# Altium PCB 191015 PCB (REV0-1).PcbDoc (part 1 of 2) (continued)
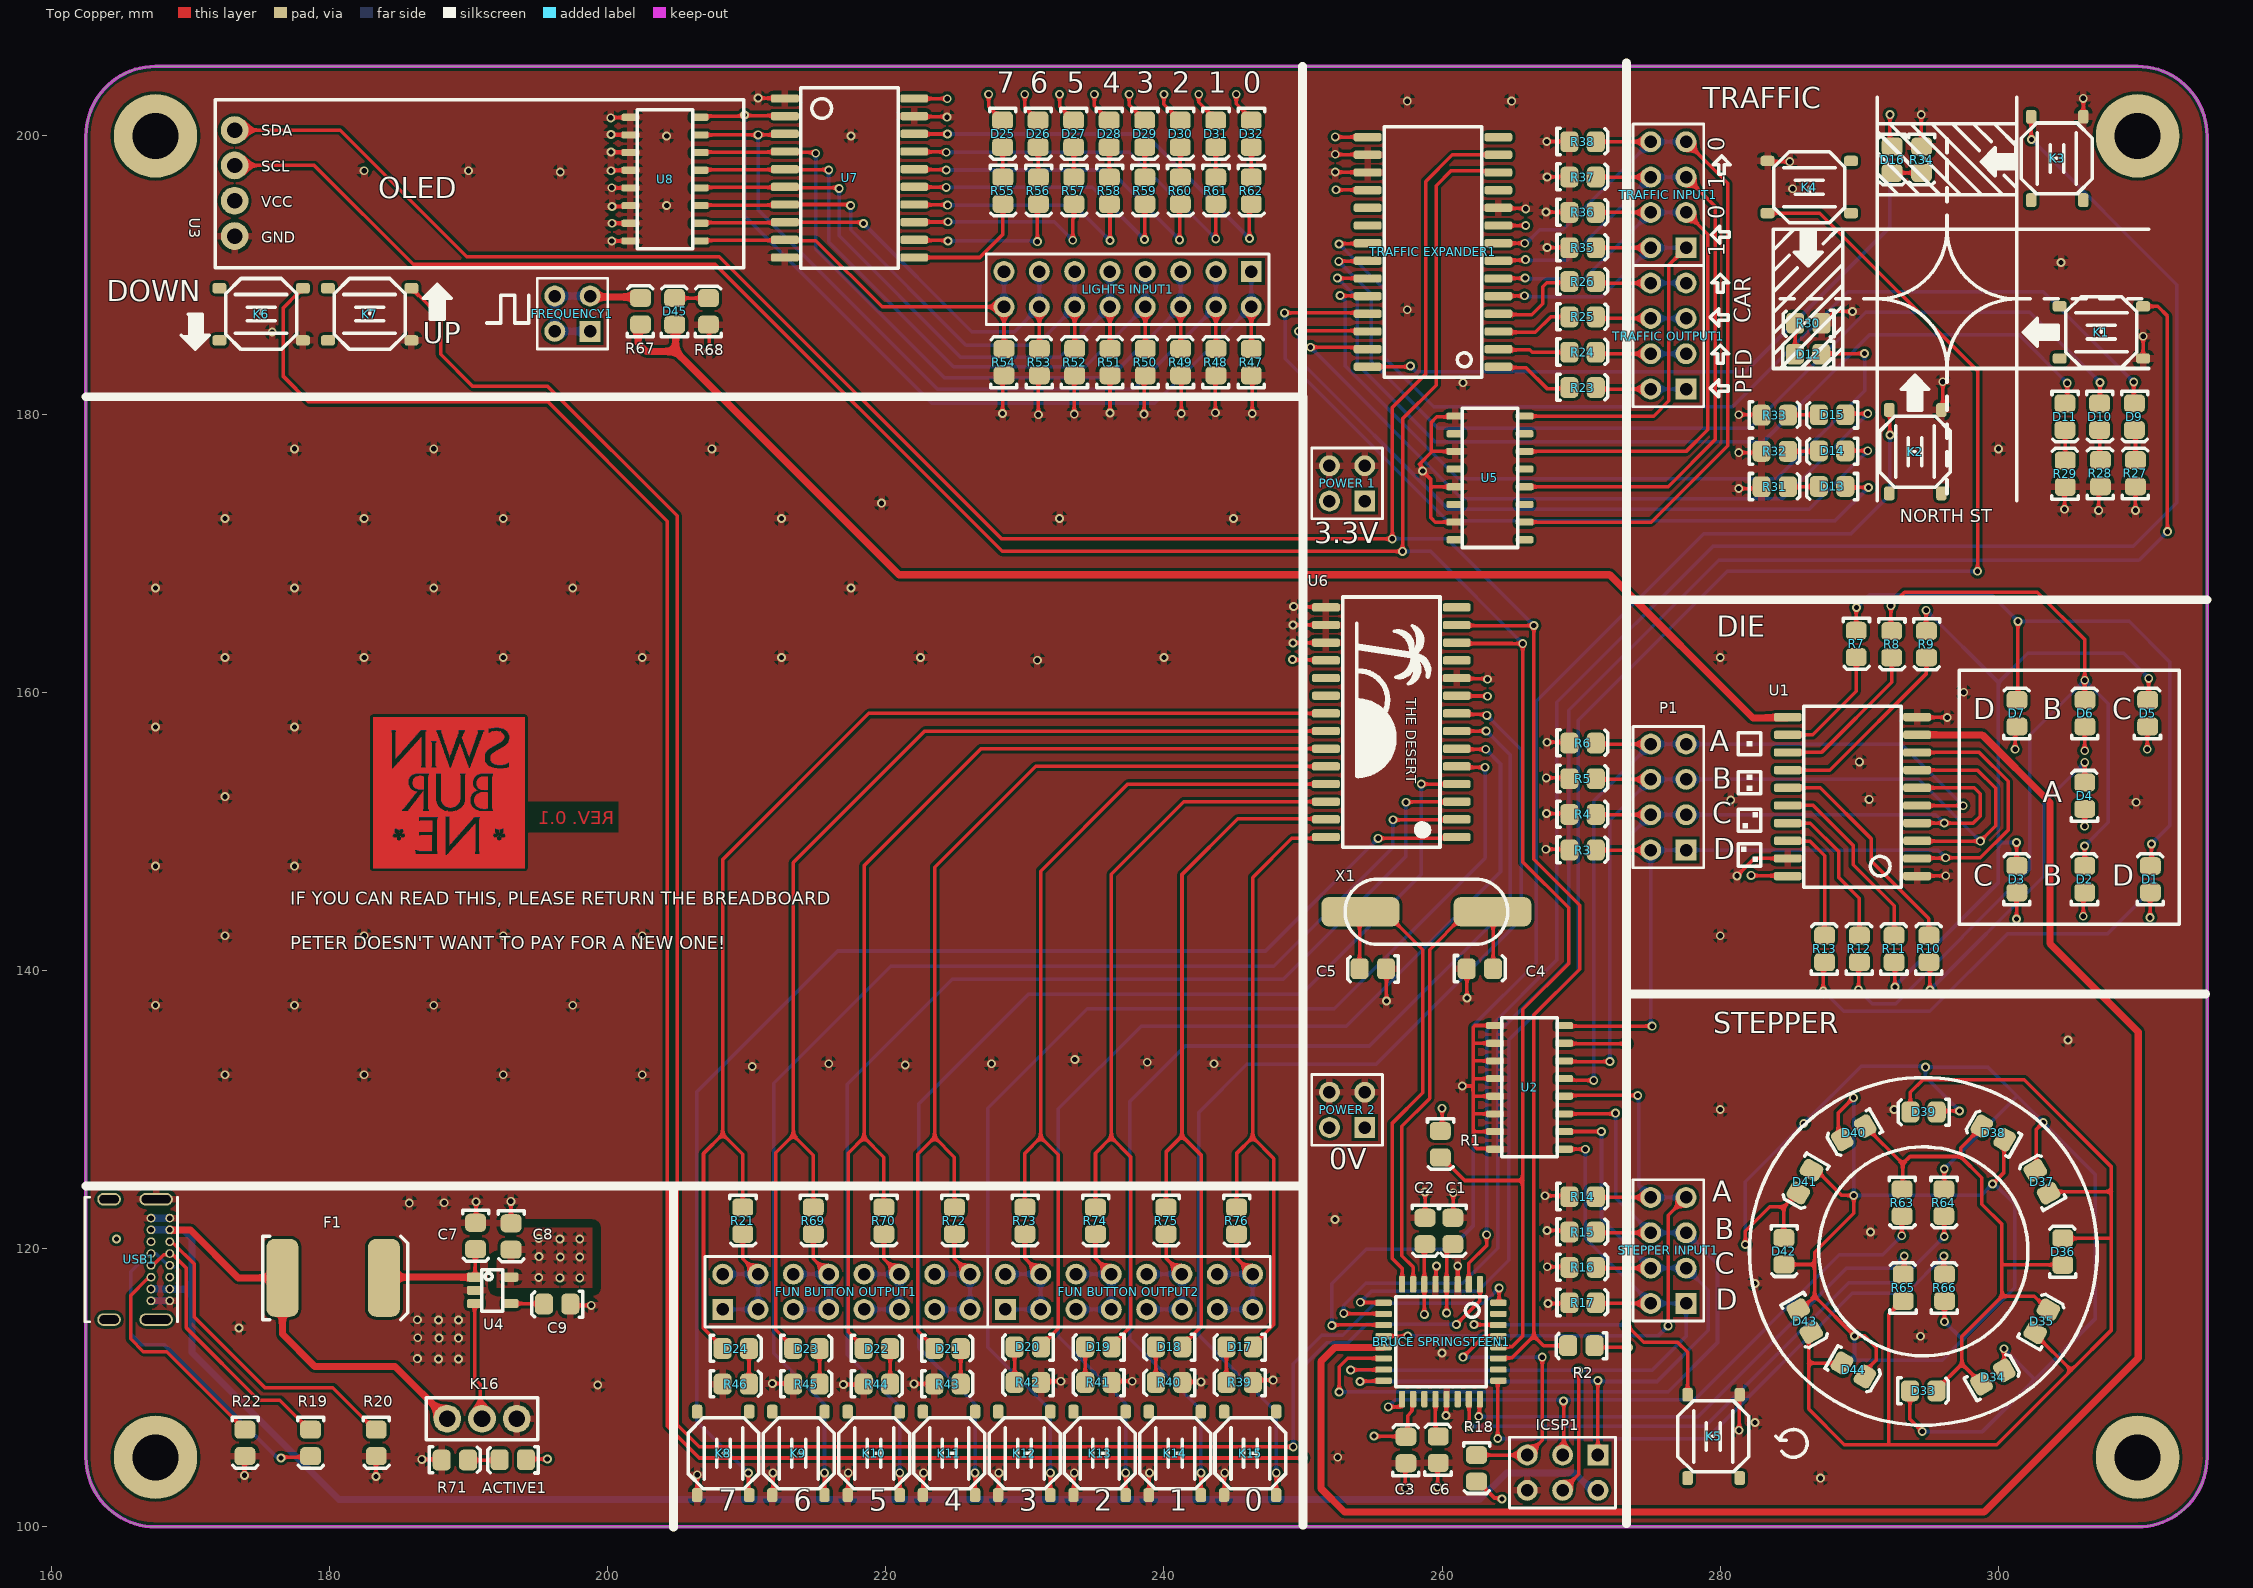
[diagram p0: Top Copper view]
## Part data
ACTIVE1 D1 D2 D3 D4 D5 D6 D7 D9 D13 D17 D18 D19 D20 D21 D22 D23 D24 D25 D26 D27 D28 D29 D30 D31 D32 D33 D34 D35 D36 D37 D38 D39 D40 D41 D42 D43 D44: library part SML-210LTT86, "Red LED Indication - Discrete 1.75V 0805 (2012 Metric)", Digikey Part Number=511-1286-1-ND, Manufacturer="ROHM Semiconductor", Colour=Red, Digikey Link=https://www.digikey.com/product-detail/en/rohm-semiconductor/SML-210LTT86/511-1286-1-ND/637099, Part Number=SML-210LTT86
"BRUCE SPRINGSTEEN1": "AVR AVR® ATmega Microcontroller IC 8-Bit 20MHz 32KB (16K x 16) FLASH 32-TQFP (7x7)", Digikey Part Number=ATMEGA328P-AU-ND, Manufacturer=ATMEL, Digikey Link=https://www.digikey.com/product-detail/en/microchip-technology/ATMEGA328P-AU/ATMEGA328P-AU-ND/1832260, Part Number="ATMEGA 328P-AU"
C1 C3 C7 C8: library part GCM21BR71A105KA37L, Manufacturer=muRata, Rated Voltage=10V, Tolerance=10%, Material=X7R, Part Number=GCM21BR71A105KA37L
C2: library part GCM21BR61A475KA37L, Manufacturer=muRata, Rated Voltage=10V, Tolerance=10%, Material=X5R, Part Number=GCM21BR61A475KA37L
C4 C5: library part GCM21B5C1H220JA37L, Manufacturer=muRata, Rated Voltage=50V, Tolerance=5%, Material=C0G, Part Number=GCM21B5C1H220JA37L
C6: library part GCM21BR71E104KA37L, Manufacturer=muRata, Rated Voltage=25V, Tolerance=10%, Material=X7R, Part Number=GCM21BR71E104KA37L
C9: library part GCM21BR71H103KA37L, Manufacturer=muRata, Rated Voltage=50V, Tolerance=10%, Material=X7R, Part Number=GCM21BR71H103KA37L
D10 D14: library part SML-211DTT86, "Orange LED Indication - Discrete 1.75V 0805 (2012 Metric)", Digikey Part Number=511-1291-1-ND, Manufacturer="ROHM Semiconductor", Colour=Red, Digikey Link=https://www.digikey.com/product-detail/en/rohm-semiconductor/SML-211DTT86/511-1291-1-ND/637104, Part Number=SML-211DTT86
D11 D12 D15 D16: library part SML-210FTT86, "Green LED Indication - Discrete 1.75V 0805 (2012 Metric)", Digikey Part Number=511-1285-1-ND, Manufacturer="ROHM Semiconductor", Colour=Red, Digikey Link=https://www.digikey.com/product-detail/en/rohm-semiconductor/SML-210FTT86/511-1285-1-ND/637098, Part Number=SML-210FTT86
D45: library part SML-210LTT86, "Red LED Indication - Discrete 1.75V 0805 (2012 Metric)", Colour=Red, Digikey Part Number=511-1286-1-ND, Manufacturer="ROHM Semiconductor", Digikey Link=https://www.digikey.com/product-detail/en/rohm-semiconductor/SML-210LTT86/511-1286-1-ND/637099, Part Number=SML-210LTT86
F1: "PTC RESET FUSE 60V 1A 292", Digikey Part Number=507-2070-1-ND, Manufacturer="Littelfuse Inc.", Digikey Link=https://www.digikey.com/product-detail/en/bel-fuse-inc/0ZCF0100AF2A/507-2070-1-ND/6210547, Part Number=0ZCF0100AF2A
FREQUENCY1 "POWER 1" "POWER 2": library part "Header 2x2", Angle=0, Contact=NA, Flange=No, Part Number="Header 2x2", Pitch=2.54mm, Positions=4, Row Spacing=2.54mm
ICSP1: library part "Header 2x3", Angle=0, Contact=NA, Flange=No, Part Number="Header 2x3", Pitch=2.54mm, Positions=6, Row Spacing=2.54mm
K1 K2 K3 K4 K5 K6 K7 K8 K9 K10 K11 K12 K13 K14 K15: "TACTILE SWITCHES SPST 5.10MM X 5.10MM 0.80MM SMD ROHS", Manufacturer="XKB Enerprise", Digikey Link=https://jlcpcb.com/client/index.html#/parts/componentSearch?searchTxt=usb, Part Number=TS-1187A-C-D-B
K16: "SPDT Switch", Manufacturer=Jaycar, Digikey Link=https://www.jaycar.com.au/sub-miniature-dpdt-pcb-mount-switch/p/SS0823, Part Number=SS0823
P1 "STEPPER INPUT1" "TRAFFIC INPUT1" "TRAFFIC OUTPUT1": library part "Header 2x4", Angle=0, Contact=NA, Flange=No, Part Number="Header 2x4", Pitch=2.54mm, Positions=8, Row Spacing=2.54mm
R1 R2 R3 R4 R5 R6 R14 R15 R16 R17 R35 R36 R37 R38 R47 R48 R49 R50 R51 R52 R53 R54: library part RC0805FR0710KL, Manufacturer=YAGEO, Rated Voltage=0.125W, Tolerance=0.01, Material=FR-07, Part Number=RC0805FR0710KL, Qty=50
R7 R8 R9 R10 R11 R12 R13 R18 R27 R30 R31 R34 R39 R40 R41 R42 R43 R44 R45 R46 R55 R56 R57 R58 R59 R60 R61 R62 R68 R71: library part RC0805FR071KL, Manufacturer=YAGEO, Rated Voltage=0.125W, Tolerance=0.01, Material=FR-07, Part Number=RC0805FR071KL, Qty=50
R19: library part RC0805FR07200RL, Manufacturer=YAGEO, Rated Voltage=0.125W, Tolerance=0.01, Material=FR-07, Part Number=RC0805FR07200RL, Qty=50
R20 R22: library part RC0805FR075K1L, Manufacturer=YAGEO, Rated Voltage=0.125W, Tolerance=0.01, Material=FR-07, Part Number=RC0805FR075K1L, Qty=50
R21 R69 R70 R72 R73 R74 R75 R76: library part RC0805FR07100RL, Manufacturer=YAGEO, Rated Voltage=0.125W, Tolerance=0.01, Material=FR-07, Part Number=RC0805FR07100RL, Qty=50
R23 R24 R25 R26 R67: library part RC0805FR07330RL, Manufacturer=YAGEO, Rated Voltage=0.125W, Tolerance=0.01, Material=FR-07, Part Number=RC0805FR07330RL, Qty=50
R28 R29 R32 R33 R63 R64 R65 R66: library part RC0805FR07680RL, Manufacturer=YAGEO, Rated Voltage=0.125W, Tolerance=0.01, Material=FR-07, Part Number=RC0805FR07680RL, Qty=50
"TRAFFIC EXPANDER1" U6: "IC I/O EXPANDER I2C 16B 28SOIC", Digikey Part Number=MCP23017T-E/SOTR-ND, Manufacturer="Microchip Technology", Digikey Link=https://www.digikey.com/product-detail/en/microchip-technology/MCP23017T-E-SO/MCP23017T-E-SOTR-ND/964184, Part Number=MCP23017
U1 U7: "IC BUFFER INVERT 6V 20SOIC", Digikey Part Number=296-8333-1-ND, Manufacturer="Texas Instruments", Digikey Link=https://www.digikey.com/product-detail/en/texas-instruments/SN74HC540DWR/296-8333-1-ND/376710, Part Number=SN74HC540DWR
U2 U5 U8: "PD 300W VWM 3.3VCJ 425PFPACKAGE", Digikey Part Number=1655-2152-2-ND, Manufacturer="SMC Diode", Digikey Link=https://www.digikey.com/product-detail/en/smc-diode-solutions/S16C03-8TR/1655-2152-2-ND/9816814, Part Number=S16C03-8TR
U3: "AU 0.91\" IIC I2C OLED LCD Display Module 128x32 for Arduino PIC SSD1306 3.3V~5V", Manufacturer=IIC, Digikey Link=https://www.ebay.com.au/itm/AU-0-91-IIC-I2C-OLED-LCD-Display-Module-128x32-for-Arduino-PIC-SSD1306-3-3V-5V/173740276759?_trkparms=ispr%3D1&hash=item2873ba3c17:m:mtuBFdundu-sO8SF14N9s0Q&enc=AQAEAAACMBPxNw%2BVj6nta7CKEs3N0qXGdDgw5AbtZBK2GBjvTzu8XHiBcI5uLQY2T5XcetHUGO8PuZRarzai%2FQnEDe6BkxUq23f79SyeGX5oa6nluXFEGG0Hz2gFX11EJ6GYaVvL7i6kc6va81t%2FwKg3W0ssZIxhwwMp0Eh%2BfoN3%2FrnYSkd7s7YclAfVoAj%2BaE2AwEV5QVm85FaIjCJvvMHeJfphryi2paEsyevtRWBIghk8SFidXOvhtC5GCTPSeR9JXfeRjZVxl7mexAnG4x8z49OuYCtQWuXZ9QNvOo3RMcMk%2F5bSItT0RwsIG0jBwvLODPvisKQIMwRXM3MwGj9yzOyOZYIdpSvnofANN%2Fg9hrlJjeHKizw4Ga6LAey%2BlexpCRBABzUaVccJco2%2FpVNKV1UVGCKL5zr4%2BwfYHs3IhPQhs65tz9jQnmL6CNZlKVyXJoCkgaVFgwBlkVflMYXL%2BQ6ywD4h3STo%2FCt3NyZDCdseYf54DzEjZBuIFx9YEq5QtoLI1kcGm1pkCFMvpRESH1WvSd%2FgKEiZ8Xf%2FKWTNYoiWh5m%2B%2BiQiSwxthHjU08rIAcRCZgCaKv35l0XRTQIvsqBsEvCN18uoS38NBw5YpFlkSUvSRdNi1QRiSdeRE0SvVLNR2j1ewKdsSHUlME7ra59o1zZ5%2FQh633FqSubhH0lMpD%2FWH%2B%2F9jRhKc0S%2BULy7rnlhuKVSUd%2BeIjdIOrTIRkWcIYPrX11YwluhIJrHwWBB4uET&checksum=17374027675912d05a9cae6e455683321d2000ae08a5&enc=AQAEAAACMBPxNw%2BVj6nta7CKEs3N0qXGdDgw5AbtZBK2GBjvTzu8XHiBcI5uLQY2T5XcetHUGO8PuZRarzai%2FQnEDe6BkxUq23f79SyeGX5oa6nluXFEGG0Hz2gFX11EJ6GYaVvL7i6kc6va81t%2FwKg3W0ssZIxhwwMp0Eh%2BfoN3%2FrnYSkd7s7YclAfVoAj%2BaE2AwEV5QVm85FaIjCJvvMHeJfphryi2paEsyevtRWBIghk8SFidXOvhtC5GCTPSeR9JXfeRjZVxl7mexAnG4x8z49OuYCtQWuXZ9QNvOo3RMcMk%2F5bSItT0RwsIG0jBwvLODPvisKQIMwRXM3MwGj9yzOyOZYIdpSvnofANN%2Fg9hrlJjeHKizw4Ga6LAey%2BlexpCRBABzUaVccJco2%2FpVNKV1UVGCKL5zr4%2BwfYHs3IhPQhs65tz9jQnmL6CNZlKVyXJoCkgaVFgwBlkVflMYXL%2BQ6ywD4h3STo%2FCt3NyZDCdseYf54DzEjZBuIFx9YEq5QtoLI1kcGm1pkCFMvpRESH1WvSd%2FgKEiZ8Xf%2FKWTNYoiWh5m%2B%2BiQiSwxthHjU08rIAcRCZgCaKv35l0XRTQIvsqBsEvCN18uoS38NBw5YpFlkSUvSRdNi1QRiSdeRE0SvVLNR2j1ewKdsSHUlME7ra59o1zZ5%2FQh633FqSubhH0lMpD%2FWH%2B%2F9jRhKc0S%2BULy7rnlhuKVSUd%2BeIjdIOrTIRkWcIYPrX11YwluhIJrHwWBB4uET&checksum=17374027675912d05a9cae6e455683321d2000ae08a5&frcectupt=true, Part Number=SSD1306
U4: "Low Power, Low Dropout, 500mA RF LinearRegulators", Manufacturer=RUNIC, Digikey Link=http://www.run-ic.com/Public/attached/file/201811/1542246949_88491.pdf, Part Number=RS3236-3.3
USB1: "USB - C (Type - C) USB 2.0 Receptacle Connector 16 Position Through Hole, Right Angle", Digikey Part Number=2073-USB4085-GF-ACT-ND, Angle=90, Digikey Link=https://www.digikey.ee/product-detail/en/gct/USB4085-GF-A/2073-USB4085-GF-ACT-ND/9859733, Part Number=USB4085-GF-A
X1: library part ABLS-16.000MHZ-B4-T, Digikey Part Number=535-10226-1-ND, Load Capacitance=18pF, Manufacturer="Abracon LLC", Digikey Link=https://www.digikey.com/product-detail/en/abracon-llc/ABLS-16.000MHZ-B4-T/535-10226-1-ND/2184261, ESR=40R, Part Number=ABLS-16.000MHZ-B4-T
"FUN BUTTON OUTPUT1" "FUN BUTTON OUTPUT2" "LIGHTS INPUT1": Angle=0, Contact=NA, Flange=No, Part Number="Header 2x8", Pitch=2.54mm, Positions=16, Row Spacing=2.54mm

## Free pads (board coordinates)
  round 6 hole 3.3: MOUNT(167.5,105) MOUNT(167.5,200) MOUNT(310,105) MOUNT(310,200)

## Via types
v1: diameter 0.635, hole 0.381, Top Copper to Bottom Copper, tented both sides, 335 vias
v2: diameter 0.635, hole 0.381, Top Copper to Bottom Copper, 15 vias

## Nets (pads, with @x,y where several pads share a name; then routed paths per layer and width w, separated by ;. In a path a pad name is that pad's centre, name@x,y a point inside that pad or via, vN(x,y) a via of type N, cw(c..) or ccw(c..) an arc to the next point about the centre after c; other vN are vias at no path point)
0V: "BRUCE SPRINGSTEEN1.3" "BRUCE SPRINGSTEEN1.5" "BRUCE SPRINGSTEEN1.21" "POWER 1.3" "POWER 1.4" "POWER 2.3" "POWER 2.4" "TRAFFIC EXPANDER1.10" "TRAFFIC EXPANDER1.16" "TRAFFIC EXPANDER1.17" C1.1 C2.1 C3.1 C4.1 C5.1 C6.1 C7.1 C8.1 C9.1 ICSP1.6 K1.2 K2.2 K3.2 K4.2 K5.2 K6.2 K7.2 K8.2 K9.2 K10.2 K11.2 K12.2 K13.2 K14.2 K15.2 K16.NO R3.1 R4.1 R5.1 R6.1 R14.1 R15.1 R16.1 R17.1 R20.2 R22.2 R27.1 R28.1 R29.1 R30.1 R31.1 R32.1 R33.1 R34.1 R35.1 R36.1 R37.1 R38.1 R39.1 R40.1 R41.1 R42.1 R43.1 R44.1 R45.1 R46.1 R47.1 R48.1 R49.1 R50.1 R51.1 R52.1 R53.1 R54.1 R68.1 R71.1 U1.1 U1.10 U1.19 U2.1 U2.2 U2.3 U2.4 U2.5 U2.6 U2.7 U2.8 U3.4 U4.2 U5.1 U5.3 U5.5 U5.7 U6.10 U6.15 U6.16 U6.17 U7.1 U7.10 U7.19 U8.9 U8.10 U8.11 U8.12 U8.13 U8.14 U8.15 U8.16 USB1.A1 USB1.A12 USB1.B1 USB1.B12 USB1.P1 | length 196.2
  Top Copper w0.254: v1(173.9,103.7) 173.9,105.057 R22.2@173.93,105.087 ; v1(183.35,103.625) 183.35,105.069 R20.2@183.368,105.087 ; v1(186.65,104.85) 188.025,104.85 R71.1@188.075,104.8 ; C7.1@190.514,121.862 190.55,121.898 v1(190.55,123.375) ; v1(193.05,123.4) 193.05,121.84 C8.1@193.065,121.825 ; C9.1@197.325,116.015 197.415,115.925 v1(198.825,115.925) ; v1(200.225,201.3) 200.245,201.32 201.625,201.32 U8.9@201.645,201.34 ; v1(200.25,197.5) 200.28,197.53 U8.12@201.645,197.53 ; v1(200.25,198.85) 200.275,198.825 201.62,198.825 U8.11@201.645,198.8 ; v1(200.25,200.1) 200.265,200.085 201.63,200.085 U8.10@201.645,200.07 ; v1(200.3,192.45) U8.16@201.645,192.45 ; v1(200.3,196.275) 200.308,196.267 201.638,196.267 U8.13@201.645,196.26 ; v1(200.325,193.725) 200.327,193.723 201.642,193.723 U8.15@201.645,193.72 ; v1(200.325,194.925) 201.58,194.925 U8.14@201.645,194.99 ; K8.2@206.437,102.283 206.444,102.289 206.444,103.744 v1(206.45,103.75) ; R68.1@207.256,186.438 207.225,186.407 207.3,186.332 v1(207.3,184.5) ; R46.1@208.205,110.229 208.256,110.28 R46.1@208.271,110.264 ; v1(210.825,202.725) 210.843,202.707 212.733,202.707 U7.1@212.75,202.69 ; K9.2@211.849,102.283 211.899,102.333 v1(211.899,103.883) ; v1(211.851,110.305) 213.304,110.305 R45.1@213.345,110.264 ; v1(216.956,110.229) 218.385,110.229 R44.1@218.42,110.264 ; K10.2@217.262,102.283 217.287,102.308 217.287,103.858 v1(217.312,103.883) ; v1(222.036,110.28) 223.478,110.28 R43.1@223.494,110.264 ; U7.19@222.05,201.42 222.085,201.385 224.365,201.385 v1(224.4,201.35) ; K11.2@222.674,102.283 222.699,102.308 222.699,103.858 v1(222.724,103.883) ; K12.2@228.086,102.283 228.111,102.308 228.111,103.858 v1(228.136,103.883) ; v1(228.4,180.05) 228.4,182.628 228.371,182.656 R54.1@228.503,182.788 ; v1(230.975,179.95) 230.975,182.72 R53.1@231.043,182.788 ; R42.1@231.169,110.383 231.259,110.473 v1(232.59,110.473) ; K13.2@233.498,102.283 233.523,102.308 233.523,103.858 v1(233.548,103.883) ; v1(233.55,180) 233.55,182.71 233.528,182.732 R52.1@233.583,182.788 ; R51.1@236.123,182.788 236.093,182.758 236.125,182.726 v1(236.125,180.075) ; R41.1@236.243,110.383 236.334,110.473 v1(237.72,110.473) ; v1(238.575,180) 238.575,182.563 238.625,182.613 238.557,182.682 R50.1@238.663,182.788 ; K14.2@238.911,102.283 238.936,102.308 238.936,103.858 v1(238.961,103.883) ; R49.1@241.203,182.788 241.173,182.758 241.25,182.681 v1(241.25,180.05) ; R40.1@241.318,110.383 241.357,110.423 v1(242.673,110.423) ; v1(243.7,180.1) 243.7,182.745 R48.1@243.743,182.788 ; K15.2@244.323,102.283 244.348,102.308 244.348,103.858 v1(244.373,103.883) ; R47.1@246.283,182.788 246.35,182.721 v1(246.35,180.05) ; R39.1@246.392,110.383 246.558,110.55 v1(247.855,110.55) ; v1(249.274,163.548) 249.282,163.556 251.641,163.556 U6.17@251.65,163.565 ; v1(249.274,164.843) 249.278,164.839 251.646,164.839 U6.16@251.65,164.835 ; v1(249.325,166.164) 249.354,166.135 251.62,166.135 U6.15@251.65,166.105 ; v1(252.32,197.405) 252.338,197.387 254.628,197.387 254.645,197.37 ; v1(252.32,198.68) 252.34,198.66 254.625,198.66 254.645,198.64 ; C5.1@255.967,140.123 256,140.089 v1(256,137.8) ; v1(257.35,102.775) 257.35,104.525 C3.1@257.4,104.575 ; C2.1@258.772,122.221 258.775,122.224 v1(258.775,124.075) ; 259.523,117.434 259.562,117.472 259.562,118.712 v1(259.6,118.75) ; v1(259.675,102.85) 259.675,104.55 C6.1@259.725,104.6 ; v1(260.275,108) 260.299,108.024 260.299,109.16 260.323,109.184 ; C1.1@260.772,122.221 260.8,122.249 v1(260.8,124.025) ; U5.7@260.95,172.235 259.515,172.235 259.2,172.55 259.2,174.675 ; U5.5@260.95,174.775 259.3,174.775 259.2,174.675 ; U5.3@260.95,177.315 259.29,177.315 259.225,177.25 ; U5.1@260.95,179.855 260.895,179.8 259.625,179.8 259.225,179.4 259.225,177.25 ; U6.10@261.05,161.025 261.097,160.978 263.223,160.978 v1(263.269,160.932) ; 261.123,117.434 261.125,117.436 v1(261.125,118.75) ; v1(261.45,131.7) 261.456,131.694 262.149,131.694 262.23,131.613 ; C4.1@261.768,140.12 261.784,140.104 v2(261.784,138.016) ; U2.8@263.8,127.15 263.75,127.2 262.5,127.2 262.23,127.47 262.23,128.57 ; U2.7@263.8,128.42 262.38,128.42 262.23,128.57 ; U2.6@263.8,129.69 262.245,129.69 262.23,129.675 ; U2.5@263.8,130.96 262.245,130.96 262.23,130.975 ; U2.4@263.8,132.23 262.25,132.23 262.23,132.25 ; U2.3@263.8,133.5 262.255,133.5 262.23,133.525 ; U2.2@263.8,134.77 262.277,134.77 262.23,134.723 ; U2.1@263.8,136.04 263.795,136.045 262.355,136.045 262.23,135.92 262.23,134.723 ; 264.045,194.83 264.082,194.793 265.983,194.793 v1(266.02,194.755) ; v1(267.4,123.8) 268.683,123.8 268.883,124 R14.1@269.149,123.734 ; v1(267.462,148.717) 269.042,148.717 269.067,148.742 R3.1@269.149,148.66 ; v1(267.475,194.525) 269.124,194.525 R36.1@269.149,194.5 ; v1(267.487,153.848) 269.088,153.848 R5.1@269.149,153.787 ; v1(267.513,151.282) 268.836,151.282 268.963,151.409 R4.1@269.149,151.223 ; v1(267.525,199.6) 269.129,199.6 R38.1@269.149,199.58 ; v1(267.538,121.31) 269.033,121.31 R15.1@269.149,121.194 ; v1(267.538,156.413) 269.086,156.413 R6.1@269.149,156.35 ; v1(267.55,191.975) 269.134,191.975 R35.1@269.149,191.96 ; v1(267.55,197.05) 269.139,197.05 R37.1@269.149,197.04 ; v1(267.564,118.694) 269.109,118.694 R16.1@269.149,118.654 ; v1(267.614,116.053) 269.088,116.053 R17.1@269.149,116.114 ; v1(281.2,146.8) 282.455,148.055 U1.19@284.85,148.055 ; v1(281.325,174.65) 282.789,174.65 282.814,174.625 R31.1@282.963,174.774 ; v1(281.325,177.229) 282.78,177.229 282.919,177.368 R32.1@282.963,177.324 ; v1(281.33,179.959) 282.928,179.959 R33.1@282.963,179.924 ; v1(281.35,106.95) 281.375,106.975 281.375,109.475 K5.2@281.4,109.5 ; K4.2@283.4,198.2 283.45,198.15 v1(285,198.15) ; R30.1@287.287,186.53 287.338,186.479 288.238,187.379 v1(289.5,187.379) ; U1.1@294.15,146.785 294.164,146.798 296.201,146.798 v1(296.215,146.812) ; U1.10@294.15,158.215 294.162,158.203 296.305,158.203 v1(296.316,158.191) ; v1(294.45,201.529) 294.45,199.265 R34.1@294.474,199.241 ; K2.2@295.9,180.3 296,180.4 v1(296,182.325) ; v1(304.75,173.154) 304.75,174.716 R29.1@304.801,174.767 ; K3.2@306.1,201.379 v1(306.1,202.7) ; v1(307.2,173.079) 307.2,174.666 R28.1@307.326,174.792 ; v1(309.85,173.079) 309.85,174.791 R27.1@309.851,174.792 ; K1.2@310.4,184 v1(310.4,185.6) ; 259.2,174.675 259.2,175.3 258.6,175.9 v1(258.6,175.913) 258.6,176.175 258.375,176.4 259.225,177.25 ; 262.23,128.57 262.23,129.675 ; 262.23,129.675 262.23,130.975 ; 262.23,130.975 262.23,131.613 ; 262.23,131.613 262.23,132.25 ; 262.23,132.25 262.23,133.525 ; 262.23,133.525 262.23,134.723
  Bottom Copper w0.254: USB1.A1@168.525,122.2 USB1.A1@168.601,122.124
  Bottom Copper w0.5: USB1.B1@167.175,116.25 USB1.A12@168.525,116.25 ; USB1.B12@167.175,122.2 USB1.A1@168.525,122.2
  other v1: 287.2,103.5 252.5,105 282.5,107.5 199.3,110.2 187.854,112.068 189.279,112.068 186.329,112.093 260,112.5 187.879,113.568 189.279,113.568 186.354,113.593 294.4,113.7 173.5,114.3 187.854,114.868 189.279,114.868 186.329,114.893 282.5,117.5 290.8,121.2 252.3,122.1 185.75,123.275 188.25,123.3 280,130 292.5,130 172.5,132.5 182.5,132.5 192.5,132.5 202.5,132.5 210.4,133.1 221.4,133.2 215.9,133.3 227.6,133.3 243.6,133.3 238.8,133.4 233.6,133.6 305,135 167.5,137.5 177.5,137.5 187.5,137.5 197.5,137.5 172.5,142.5 182.5,142.5 192.5,142.5 202.5,142.5 280,142.5 167.5,147.5 177.5,147.5 309.9,152.1 280.75,152.25 290.7,152.3 172.5,152.5 290,155 167.5,157.5 177.5,157.5 297.5,160 230.9,162.3 172.5,162.5 182.5,162.5 192.5,162.5 202.5,162.5 212.5,162.5 222.5,162.5 240,162.5 280,162.5 167.5,167.5 177.5,167.5 187.5,167.5 197.5,167.5 217.5,167.5 172.5,172.5 182.5,172.5 192.5,172.5 212.5,172.5 232.5,172.5 245,172.5 219.7,173.6 177.5,177.5 187.5,177.5 207.5,177.5 300,177.5 261.5,182.25 175.9,185.9 257.5,187.5 304.5,190.9 204.25,195 285.2,196.2 196.6,197.4 182.5,197.5 190,197.5 204.25,200 217.5,200 257.5,202.5 265,202.5
3.3V: "BRUCE SPRINGSTEEN1.4" "BRUCE SPRINGSTEEN1.6" "BRUCE SPRINGSTEEN1.18" "POWER 1.1" "POWER 1.2" "POWER 2.1" "POWER 2.2" "TRAFFIC EXPANDER1.9" "TRAFFIC EXPANDER1.15" "TRAFFIC EXPANDER1.18" ACTIVE1.A C1.2 C2.2 C3.2 C8.2 D1.A D2.A D3.A D4.A D5.A D6.A D7.A D25.A D26.A D27.A D28.A D29.A D30.A D31.A D32.A R1.1 R2.1 R18.2 U1.20 U3.3 U4.5 U6.9 U6.18 U7.20 | length 70.6
  Top Copper w0.254: ACTIVE1.A@194.137,104.826 194.161,104.85 194.21,104.801 194.284,104.875 v1(195.675,104.875) ; U7.20@222.05,202.69 222.058,202.683 224.417,202.683 v1(224.425,202.675) ; v1(227.4,203) 227.4,202.103 D25.A@228.402,201.101 ; v1(230,203) 230,202.057 D26.A@230.956,201.101 ; v1(232.5,203) 232.5,202.112 D27.A@233.511,201.101 ; v1(235,203) 235,202.166 D28.A@236.065,201.101 ; v1(237.5,203) 237.5,202.221 D29.A@238.62,201.101 ; v1(240,203) 240,202.275 D30.A@241.174,201.101 ; v1(242.5,203) 242.5,202.422 243.775,201.147 D31.A@243.729,201.101 ; v1(245.2,203) 245.2,202.318 246.35,201.168 D32.A@246.283,201.101 ; v1(249.249,162.354) 249.278,162.325 251.62,162.325 U6.18@251.65,162.295 ; v1(252.32,199.93) 252.33,199.92 254.635,199.92 254.645,199.91 ; v1(252.37,196.13) 252.385,196.115 254.63,196.115 254.645,196.1 ; v1(255.1,106.525) 255.125,106.5 257.375,106.5 C3.2@257.4,106.475 257.525,106.6 257.525,108 257.825,108.3 257.825,109.086 257.923,109.184 ; C2.2@258.772,120.321 258.723,120.272 258.723,117.434 258.724,117.433 v1(258.725,115.275) ; R1.1@259.874,128.462 260,128.588 v2(260,130.1) ; v1(260.325,115.375) 260.324,115.376 260.324,117.433 260.323,117.434 260.323,119.872 C1.2@260.772,120.321 ; U6.9@261.05,159.755 261.071,159.734 263.248,159.734 v1(263.269,159.713) ; R18.2@262.475,103.261 R18.2@262.474,103.262 262.574,103.262 263.763,102.073 264.227,102.073 v1(264.3,102) ; 264.045,193.56 264.048,193.557 266.018,193.557 v1(266.02,193.555) ; R2.1@270.962,113.026 271.088,112.9 v2(273.4,112.9) ; v1(282.219,146.837) 282.246,146.811 284.824,146.811 U1.20@284.85,146.785 ; v2(301.2,155.9) 301.2,157.412 D7.A@301.326,157.538 ; v2(301.3,143.7) 301.3,145.587 D3.A@301.326,145.613 ; v2(306.1,143.9) 306.1,145.512 D2.A@306.201,145.613 ; v1(306.197,150.368) 306.197,151.609 D4.A@306.201,151.613 ; v2(306.2,155.8) 306.2,157.513 D6.A@306.225,157.538 ; v2(310.7,155.9) 310.7,157.512 D5.A@310.726,157.538 ; v2(310.9,143.8) 310.9,145.587 D1.A@310.926,145.613 ; v1(258.725,115.275) v1(258.725,115.275)
  other v1: 196.575,117.9 198,117.9 195.05,117.925 196.6,119.4 198,119.4 195.075,119.425 196.575,120.7 198,120.7 195.05,120.725
5V: F1.1 ICSP1.2 K16.NC USB1.A4 USB1.A9 USB1.B4 USB1.B9 | length 149.3
  Top Copper w0.5: USB1.A4@168.525,121.35 168.548,121.327 170.023,121.327 173.45,117.9 F1.1@176.625,117.9 176.625,113.85 178.95,111.525 184.725,111.525 K16.NC@188.475,107.775
  Bottom Copper w0.5: USB1.B4@167.175,117.1 USB1.A9@168.525,117.1 168.546,117.079 170.129,117.079 ; USB1.B9@167.175,121.35 USB1.A4@168.525,121.35 168.546,121.329 169.501,121.329 170.129,120.701 170.129,117.079 ; ICSP1.2@271.215,102.175 269.511,103.879 264.629,103.879 262.703,101.953 180.697,101.953 170.129,112.521 170.129,117.079
A: P1.7 P1.8 R6.2 U1.5 U2.13 | length 59.6
  Top Copper w0.254: U2.13@268.78,132.23 268.91,132.1 v1(270.9,132.1) ; R6.2@271.049,156.35 271.119,156.28 P1.8@275,156.28 ; U1.5@294.15,151.865 294.162,151.853 297.447,151.853 v1(297.459,151.841)
  Bottom Copper w0.254: v1(270.9,132.1) 270.9,152.18 P1.8@275,156.28 P1.7@277.54,156.28 293.02,156.28 v1(297.459,151.841)
A_R: D4.K R10.1 | length 24.4
  Top Copper w0.254: R10.1@295,140.6 295.075,140.525 v1(295.075,138.6) ; D4.K@306.201,153.513 v1(306.201,154.961)
  Bottom Copper w0.254: v1(295.075,138.6) 303.25,146.775 303.25,152.01 v1(306.201,154.961)
"AMBER EW": "TRAFFIC EXPANDER1.26" D14.A | length 55.7
  Top Copper w0.254: v1(249.67,185.955) 249.713,185.997 254.588,185.997 254.645,185.94 ; D14.A@288.987,177.355 289,177.368 v1(290.601,177.368)
  Bottom Copper w0.254: v1@249.725,185.9 249.725,183.875 260.425,173.175 286.408,173.175 287.757,174.523 v1(290.601,177.368)
"AMBER NS": "TRAFFIC EXPANDER1.22" D10.A | length 71.6
  Top Copper w0.254: v1(252.57,190.98) 252.59,191 254.625,191 254.645,191.02 ; D10.A@307.274,180.766 307.3,180.792 v1(307.3,182.279)
  Bottom Copper w0.254: v1@252.625,190.925 254.9,188.65 254.9,183.8 259.706,178.994 282.115,178.994 290.45,187.329 302.25,187.329 v1(307.3,182.279)
B: P1.5 P1.6 R5.2 U1.3 U1.7 U2.14 | length 69.1
  Top Copper w0.254: U2.14@268.78,133.5 268.83,133.45 272.05,133.45 v1(272.063,133.463) ; R5.2@271.049,153.787 271.096,153.74 P1.6@275,153.74 ; U1.7@294.15,154.405 298.495,154.405 299.8,153.1 299.8,150.4 v1(298.7,149.3) U1.3@294.375,149.3
  Bottom Copper w0.254: v1(272.063,133.463) 272.063,150.802 P1.6@275,153.74 P1.5@277.54,153.74 294.26,153.74 v1(298.7,149.3)
B_R: D2.K D6.K R8.1 R12.1 | length 70.7
  Top Copper w0.254: v1(289.941,138.608) 289.941,140.541 R12.1@290,140.6 ; R8.1@292.325,164.4 292.266,164.459 v1(292.266,166.218) 293.248,167.2 302.8,167.2 306.203,163.797 v1(306.203,160.867) 306.203,159.422 D6.K@306.225,159.4 ; v1(306.197,148.946) 306.197,147.517 D2.K@306.201,147.513
  Bottom Copper w0.254: v1(289.941,138.608) 290.932,137.617 292.608,137.617 302.26,147.269 302.26,156.924 v1(306.203,160.867) 307.9,159.17 307.9,150.649 v1(306.197,148.946)
C: P1.3 P1.4 R4.2 U1.4 U1.6 U2.15 | length 58.1
  Top Copper w0.254: U2.15@268.78,134.77 268.815,134.735 v1(273.25,134.735) ; R4.2@271.049,151.223 271.073,151.2 P1.4@275,151.2 ; U1.4@294.15,150.595 294.153,150.598 296.098,150.598 v1(296.1,150.6) 298.2,150.6 298.7,151.1 298.7,152.7 298.265,153.135 U1.6@294.15,153.135
  Bottom Copper w0.254: v1(273.25,134.735) 273.25,149.45 P1.4@275,151.2 P1.3@277.54,151.2 295.5,151.2 v1(296.1,150.6)
C_R: D3.K D5.K R9.1 R11.1 | length 52.7
  Top Copper w0.254: R11.1@292.5,140.6 292.557,140.543 v1(292.557,138.811) ; v2(294.8,165.9) 294.8,164.425 R9.1@294.825,164.4 ; v2(301.3,149.2) 301.3,147.539 D3.K@301.326,147.513 ; D5.K@310.726,159.438 310.8,159.512 v2(310.8,161)
  Bottom Copper w0.254: v1(292.557,138.811) 292.557,138.882 299.999,146.324 299.999,149.2 ; v2(294.8,165.9) 299.999,160.701 ; v2(301.3,149.2) 299.999,149.2 ; v2(310.8,161) 309,162.8 302.1,162.8 299.999,160.699 299.999,149.2
"Car EW (OUT)": "TRAFFIC OUTPUT1.7" "TRAFFIC OUTPUT1.8" R26.2 | length 6.5
  Top Copper w0.254: R26.2@271.049,189.526 271.156,189.42 275,189.42
  Bottom Copper w0.254: 275,189.42 277.54,189.42
"Car NS (OUT)": "TRAFFIC OUTPUT1.5" "TRAFFIC OUTPUT1.6" R25.2 | length 6.5
  Top Copper w0.254: R25.2@271.049,186.986 271.156,186.88 275,186.88
  Bottom Copper w0.254: 275,186.88 277.54,186.88
Charlie1: "BRUCE SPRINGSTEEN1.17" ICSP1.3 R63.2 | length 49.5
  Top Copper w0.254: v1(256.125,108.625) 257.123,108.625 257.123,109.184 ; ICSP1.3@268.675,104.715 268.675,105.165 268.612,105.228 268.75,105.365 268.75,109.025 v1(268.725,109.05) ; v1(293.05,120.925) 293.05,122.338 R63.2@293.074,122.362
  Bottom Copper w0.254: v1(256.125,108.625) 256.642,109.142 278.142,109.142 288.55,119.55 291.675,119.55 v1(293.05,120.925)
Charlie2: "BRUCE SPRINGSTEEN1.23" R64.2 | length 43.3
  Top Copper w0.254: 261.923,109.184 261.937,109.17 261.937,107.238 v1(261.95,107.225) ; R64.2@296.074,122.362 296.1,122.336 v1(296.1,120.875)
  Bottom Copper w0.254: v1(261.95,107.225) 278.9,107.225 289.225,117.55 292.775,117.55 v1(296.1,120.875)
Charlie3: "BRUCE SPRINGSTEEN1.24" R65.2 | length 38
  Top Copper w0.254: v1(262.638,107.93) 262.68,107.973 262.68,109.141 262.723,109.184 ; R65.2@293.152,118.138 293.225,118.211 v1(293.225,119.475)
  Bottom Copper w0.254: v1(262.638,107.93) 278.405,107.93 289.05,118.575 292.325,118.575 v1(293.225,119.475)
Charlie4: "BRUCE SPRINGSTEEN1.25" R66.2 | length 43
  Top Copper w0.254: v1(264,106.35) 264,110.461 264.048,110.509 ; v1(296.075,119.475) 296.075,118.189 R66.2@296.126,118.138
  Bottom Copper w0.254: v1(264,106.35) 279.05,106.35 289.5,116.8 293.4,116.8 v1(296.075,119.475)
D: P1.1 P1.2 R3.2 U1.2 U1.8 U2.16 | length 62.7
  Top Copper w0.254: U2.16@268.78,136.04 268.82,136 v1(275.1,136) ; R3.2@271.049,148.66 P1.2@275,148.66 ; U1.2@294.15,148.055 294.173,148.078 296.178,148.078 v1(296.2,148.1) 298.7,148.1 300.7,150.1 300.7,153.6 298.625,155.675 U1.8@294.15,155.675
  Bottom Copper w0.254: v1(275.1,136) 275,136.1 P1.2@275,148.66 P1.1@277.54,148.66 295.64,148.66 v1(296.2,148.1)
D_R: D1.K D7.K R7.1 R13.1 | length 80.8
  Top Copper w0.254: v1(287.401,138.532) 287.401,140.501 R13.1@287.5,140.6 ; R7.1@289.773,164.424 289.773,166.073 v2(289.8,166.1) ; D7.K@301.326,159.438 301.3,159.464 301.4,159.564 v2(301.4,165.1) ; D1.K@310.926,147.513 311,147.587 v2(311,149.1)
  Bottom Copper w0.254: v1(287.401,138.532) 288.874,137.058 295.058,137.058 300.625,142.625 307.825,142.625 311,145.8 v2(311,149.1) 312.3,150.4 312.3,162.2 309.4,165.1 v2(301.4,165.1) 299.5,167 290.7,167 v2(289.8,166.1)
"EastLight1 IN": "TRAFFIC EXPANDER1.7" "TRAFFIC INPUT1.5" "TRAFFIC INPUT1.6" R37.2 U5.12 | length 54.9
  Top Copper w0.254: 264.045,191.02 264.087,191.063 265.953,191.063 v1(265.995,191.105) ; U5.12@266.02,174.685 U5.12@265.93,174.775 266.02,174.775 276.25,174.775 279.625,178.15 279.625,194.955 277.54,197.04 ; R37.2@271.049,197.04 275,197.04
  Bottom Copper w0.254: v1@266.05,191.05 269.01,191.05 275,197.04 277.54,197.04
"EastLight2 IN": "TRAFFIC EXPANDER1.8" "TRAFFIC INPUT1.7" "TRAFFIC INPUT1.8" R38.2 U5.10 | length 60.4
  Top Copper w0.254: 264.045,192.29 264.05,192.285 265.94,192.285 v1(265.945,192.28) ; U5.10@265.93,172.235 275.035,172.235 280.525,177.725 280.525,196.595 277.54,199.58 ; R38.2@271.049,199.58 275,199.58
  Bottom Copper w0.254: v1@266,192.225 267.025,193.25 268.67,193.25 275,199.58 277.54,199.58
Enable: K16.C U4.3 | length 8.5
  Top Copper w0.254: U4.3@190.425,116.025 U4.3@190.45,116.05 190.45,110.65 190.85,110.25 190.85,107.9 K16.C@190.975,107.775
"Frequency (OUT)": FREQUENCY1.1 FREQUENCY1.2 FREQUENCY1.3 FREQUENCY1.4 R67.2 | length 11.3
  Top Copper w0.508: FREQUENCY1.3@198.75,188.49 198.82,188.42 202.305,188.42 R67.2@202.375,188.35
  Bottom Copper w0.508: FREQUENCY1.1@198.75,185.95 FREQUENCY1.2@196.21,185.95 FREQUENCY1.4@196.21,188.49 FREQUENCY1.3@198.75,188.49
Fun1: D24.A R21.1 U6.21 | length 89.9
  Top Copper w0.254: D24.A@208.271,112.814 208.271,112.914 206.9,114.286 206.9,126.84 208.28,128.22 ; R21.1@209.724,122.962 209.724,126.776 208.28,128.22 ; U6.21@251.65,158.485 218.785,158.485 208.28,147.98 208.28,128.22
Fun2: D23.A R69.1 U6.22 | length 84
  Top Copper w0.254: D23.A@213.345,112.814 213.345,112.914 212.1,114.16 212.1,126.9 213.36,128.16 ; R69.1@214.795,122.962 214.795,126.725 213.36,128.16 ; U6.22@251.65,157.215 222.815,157.215 213.36,147.76 213.36,128.16
Fun3: D22.A R70.1 U6.23 | length 78
  Top Copper w0.254: D22.A@218.42,112.814 218.42,112.914 217.3,114.034 217.3,126.86 218.44,128 ; R70.1@219.867,122.962 219.867,126.573 218.44,128 ; U6.23@251.65,155.945 226.845,155.945 218.44,147.54 218.44,128
Fun4: D21.A R72.1 U6.24 | length 72.4
  Top Copper w0.254: D21.A@223.494,112.814 223.494,112.914 222.3,114.108 222.3,126.78 223.52,128 ; R72.1@224.938,122.962 224.938,126.582 223.52,128 ; U6.24@251.65,154.675 230.775,154.675 223.52,147.42 223.52,128
Fun5: D20.A R73.1 U6.25 | length 63.8
  Top Copper w0.254: R73.1@230.01,122.962 230.01,126.87 231.14,128 ; D20.A@231.169,112.933 231.169,113.033 232.4,114.264 232.4,126.74 231.14,128 ; U6.25@251.65,153.405 237.405,153.405 231.14,147.14 231.14,128
Fun6: D19.A R74.1 U6.26 | length 58.2
  Top Copper w0.254: R74.1@235.081,122.962 235.081,126.861 236.22,128 ; D19.A@236.243,112.933 236.243,113.033 237.6,114.39 237.6,126.62 236.22,128 ; U6.26@251.65,152.135 241.435,152.135 236.22,146.92 236.22,128
Fun7: D18.A R75.1 U6.27 | length 52.8
  Top Copper w0.254: R75.1@240.152,122.962 240.152,126.952 241.3,128.1 ; D18.A@241.318,112.933 241.318,113.033 242.7,114.416 242.7,126.7 241.3,128.1 ; U6.27@251.65,150.865 251.615,150.9 245.3,150.9 241.3,146.9 241.3,128.1
Fun8: D17.A R76.1 U6.28 | length 47
  Top Copper w0.254: R76.1@245.224,122.962 245.224,126.844 246.38,128 ; D17.A@246.392,112.933 246.392,113.033 247.9,114.541 247.9,126.48 246.38,128 ; U6.28@251.65,149.595 251.642,149.603 251.538,149.5 249.2,149.5 246.38,146.68 246.38,128
"GREEN EW": "TRAFFIC EXPANDER1.27" D15.A | length 52.8
  Top Copper w0.254: v1(250.545,184.805) 254.48,184.805 254.63,184.655 254.645,184.67 ; D15.A@288.987,179.955 289.067,180.035 v1(290.601,180.035)
  Bottom Copper w0.254: v1@250.6,184.75 261.423,173.927 284.493,173.927 286.423,175.857 v1(290.601,180.035)
"GREEN NS": "TRAFFIC EXPANDER1.23" D11.A | length 68.4
  Top Copper w0.254: v1(252.47,189.78) 252.485,189.765 254.63,189.765 254.645,189.75 ; D11.A@304.774,180.766 304.95,180.942 v1(304.95,182.229)
  Bottom Copper w0.254: v1@252.525,189.725 253.9,188.35 253.9,183.6 259.471,178.029 283.112,178.029 289.676,184.593 289.676,184.644 290.731,185.699 301.481,185.699 v1(304.95,182.229)
Light1: "LIGHTS INPUT1.1" "LIGHTS INPUT1.2" R47.2 U7.2 U8.8 | length 63.9
  Top Copper w0.254: U8.8@206.625,201.34 206.712,201.427 209.777,201.427 v1(209.85,201.5) 209.89,201.46 212.71,201.46 U7.2@212.75,201.42 ; R47.2@246.283,184.688 246.283,187.71
  Bottom Copper w0.254: v1(209.85,201.5) 209.85,194.25 223.325,180.775 239.348,180.775 246.283,187.71 246.283,190.25
Light2: "LIGHTS INPUT1.3" "LIGHTS INPUT1.4" R48.2 U7.3 U8.7 | length 57.8
  Top Copper w0.254: U8.7@206.625,200.07 211.047,200.07 211.052,200.075 212.675,200.075 U7.3@212.75,200.15 ; R48.2@243.743,184.688 243.743,187.71
  Bottom Copper w0.254: v1(210.825,200.075) 210.825,194.675 223.7,181.8 237.833,181.8 243.743,187.71 243.743,190.25
Light3: "LIGHTS INPUT1.5" "LIGHTS INPUT1.6" R49.2 U7.4 U8.6 | length 53.1
  Top Copper w0.254: U8.6@206.625,198.8 206.665,198.84 212.71,198.84 U7.4@212.75,198.88 212.815,198.815 214.91,198.815 v1(214.975,198.75) ; R49.2@241.203,184.688 241.203,187.71
  Bottom Copper w0.254: v1(214.975,198.75) 214.975,191.875 224.25,182.6 236.093,182.6 241.203,187.71 241.203,190.25
Light4: "LIGHTS INPUT1.7" "LIGHTS INPUT1.8" R50.2 U7.5 U8.5 | length 48.3
  Top Copper w0.254: U8.5@206.625,197.53 206.665,197.57 212.71,197.57 U7.5@212.75,197.61 212.78,197.58 215.87,197.58 v1(215.9,197.55) ; R50.2@238.663,184.688 238.663,187.71
  Bottom Copper w0.254: v1(215.9,197.55) 215.9,192.375 224.875,183.4 234.353,183.4 238.663,187.71 238.663,190.25
Light5: "LIGHTS INPUT1.9" "LIGHTS INPUT1.10" R51.2 U7.6 U8.4 | length 43.7
  Top Copper w0.254: U8.4@206.625,196.26 206.665,196.3 212.71,196.3 U7.6@212.75,196.34 212.807,196.283 216.593,196.283 v1(216.65,196.225) ; R51.2@236.123,184.688 236.123,187.71
  Bottom Copper w0.254: v1(216.65,196.225) 216.65,192.825 225.375,184.1 232.513,184.1 236.123,187.71 236.123,190.25
Light6: "LIGHTS INPUT1.11" "LIGHTS INPUT1.12" R52.2 U7.7 U8.3 | length 38.9
  Top Copper w0.254: U8.3@206.625,194.99 206.665,195.03 212.71,195.03 U7.7@212.75,195.07 217.405,195.07 v1(217.475,195) ; R52.2@233.583,184.688 233.583,187.71
  Bottom Copper w0.254: v1(217.475,195) 217.475,193.25 225.775,184.95 230.823,184.95 233.583,187.71 233.583,190.25
Light7: "LIGHTS INPUT1.13" "LIGHTS INPUT1.14" R53.2 U7.8 U8.2 | length 34
  Top Copper w0.254: U8.2@206.625,193.72 206.665,193.76 212.71,193.76 U7.8@212.75,193.8 218.3,193.8 v1(218.4,193.7) ; R53.2@231.043,184.688 231.043,187.71
  Bottom Copper w0.254: v1(218.4,193.7) 226.175,185.925 229.258,185.925 231.043,187.71 231.043,190.25
Light8: "LIGHTS INPUT1.15" "LIGHTS INPUT1.16" R54.2 U7.9 U8.1 | length 29.5
  Top Copper w0.254: U8.1@206.625,192.45 206.665,192.49 212.71,192.49 U7.9@212.75,192.53 212.805,192.475 214.975,192.475 219.74,187.71 228.503,187.71 R54.2@228.503,184.688
  Bottom Copper w0.254: 228.503,187.71 228.503,190.25
MISO: "BRUCE SPRINGSTEEN1.16" "STEPPER INPUT1.3" "STEPPER INPUT1.4" ICSP1.1 R16.2 U2.10 | length 59.7
  Top Copper w0.254: v1(254.1,110.45) 254.129,110.479 255.769,110.479 255.798,110.509 ; U2.10@268.78,128.42 268.783,128.423 271.448,128.423 v1(271.45,128.425) ; R16.2@271.049,118.654 271.103,118.6 275,118.6 ; v1(271.2,110.525) 271.2,105.18 271.215,105.165 ICSP1.1@271.215,104.715
  Bottom Copper w0.254: v1(254.1,110.45) 275.45,110.45 279.125,114.125 279.125,117.015 277.54,118.6 275,118.6 271.461,122.139 271.461,128.414 v1(271.45,128.425)
MOSI: "BRUCE SPRINGSTEEN1.15" "STEPPER INPUT1.1" "STEPPER INPUT1.2" ICSP1.4 R17.2 U2.9 | length 60
  Top Copper w0.254: v1(253.425,111.275) 253.442,111.292 255.781,111.292 255.798,111.309 ; ICSP1.4@268.665,102.625 269.825,103.785 v1(269.825,111.25) ; U2.9@268.78,127.15 v1(270.3,127.15) ; R17.2@271.049,116.114 271.103,116.06 275,116.06
  Bottom Copper w0.254: v1(253.425,111.275) 275.12,111.275 277.54,113.695 277.54,116.06 275,116.06 270.3,120.76 v1(270.3,127.15)
NetACTIVE1_K: ACTIVE1.K R71.2 | length 2.3
  Top Copper w0.254: R71.2@189.975,104.8 192.211,104.8 ACTIVE1.K@192.237,104.826
"NetBRUCE SPRINGSTEEN1_1": "BRUCE SPRINGSTEEN1.1" K6.4 | length 173
  Top Copper w0.254: K6.4@178.1,189.05 178.008,189.05 177.764,188.807 177.764,188.714 176.7,187.65 176.7,182.7 178.525,180.875 195.725,180.875 204.3,172.3 204.3,110 204.3,107.25 206.6,104.95 v1(250,104.95) ; v1(261.025,114.55) 262.723,116.248 262.723,117.434
  Bottom Copper w0.254: v1(250,104.95) 250,111.5 251.75,113.25 253.25,113.25 254.55,114.55 v1(261.025,114.55)
"NetBRUCE SPRINGSTEEN1_2": "BRUCE SPRINGSTEEN1.2" K3.4 | length 127.1
  Top Copper w0.254: 261.923,117.434 261.923,118.948 263.2,120.225 v1(263.2,121) ; K3.4@302.35,201.379 302.35,199.775 v1(302.375,199.75)
  Bottom Copper w0.254: v1(263.2,121) 263.2,135.7 268.25,140.75 268.25,159.275 279.475,170.5 309.7,170.5 312.825,173.625 312.825,189.3 v1(302.375,199.75)
"NetBRUCE SPRINGSTEEN1_9": "BRUCE SPRINGSTEEN1.9" K4.4 | length 121.8
  Top Copper w0.254: v1(254.125,116.15) 254.146,116.129 255.777,116.129 255.798,116.109 ; K4.4@283.4,194.45 287.15,194.45 298.5,183.1 v1(298.5,168.7)
  Bottom Copper w0.254: v1(254.125,116.15) 254.925,116.95 262.575,116.95 264.8,119.175 264.8,135 269.8,140 269.8,158 280.5,168.7 v1(298.5,168.7)
"NetBRUCE SPRINGSTEEN1_10": "BRUCE SPRINGSTEEN1.10" K1.4 | length 122.9
  Top Copper w0.254: v1(252.925,115.35) 252.946,115.329 255.777,115.329 255.798,115.309 ; K1.4@310.4,187.75 311.45,187.75 312.15,187.05 v1(312.15,171.55)
  Bottom Copper w0.254: v1(252.925,115.35) 252.925,115.938 254.512,117.525 261.488,117.525 264,120.037 264,135.5 269.1,140.6 269.1,158.7 279.9,169.5 310.1,169.5 v1(312.15,171.55)
"NetBRUCE SPRINGSTEEN1_11": "BRUCE SPRINGSTEEN1.11" K2.4 | length 96
  Top Copper w0.254: v1(252.075,114.475) 252.117,114.517 255.79,114.517 255.798,114.509 ; K2.4@292.125,180.325 K2.4@292.15,180.3 292.2,180.25 v1(292.2,178.5)
  Bottom Copper w0.254: v1(252.075,114.475) 252.075,117.475 254.55,119.95 260.55,119.95 262.225,121.625 262.225,136.025 266.763,140.564 266.763,159.363 278.8,171.4 289.4,171.4 292.2,174.2 v1(292.2,178.5)
"NetBRUCE SPRINGSTEEN1_13": "BRUCE SPRINGSTEEN1.13" U1.9 | length 132.2
  Top Copper w0.508: 255.798,112.909 252.309,112.909 251.28,111.88 251.28,102.77 252.975,101.075 298.975,101.075 310.05,112.15 310.05,135.575 303.7,141.925 303.7,152.075 298.83,156.945 U1.9@294.15,156.945
"NetBRUCE SPRINGSTEEN1_20": "BRUCE SPRINGSTEEN1.20" C6.2 | length 2.8
  Top Copper w0.254: 259.523,109.184 259.523,106.702 C6.2@259.725,106.5
"NetBRUCE SPRINGSTEEN1_30": "BRUCE SPRINGSTEEN1.30" K5.4 | length 21
  Top Copper w0.254: v1(262.3,114.55) 262.321,114.529 264.027,114.529 264.048,114.509 ; v1(273.275,114.5) 274.5,113.275 276.925,113.275 277.65,112.55 K5.4@277.65,109.5
  Bottom Copper w0.254: v1(262.3,114.55) 262.325,114.525 273.25,114.525 v1(273.275,114.5)